# KiCad board uw-rs485_hat-V5.kicad_pcb
title: ${projectName}; date: 2023-06-18; rev: V5
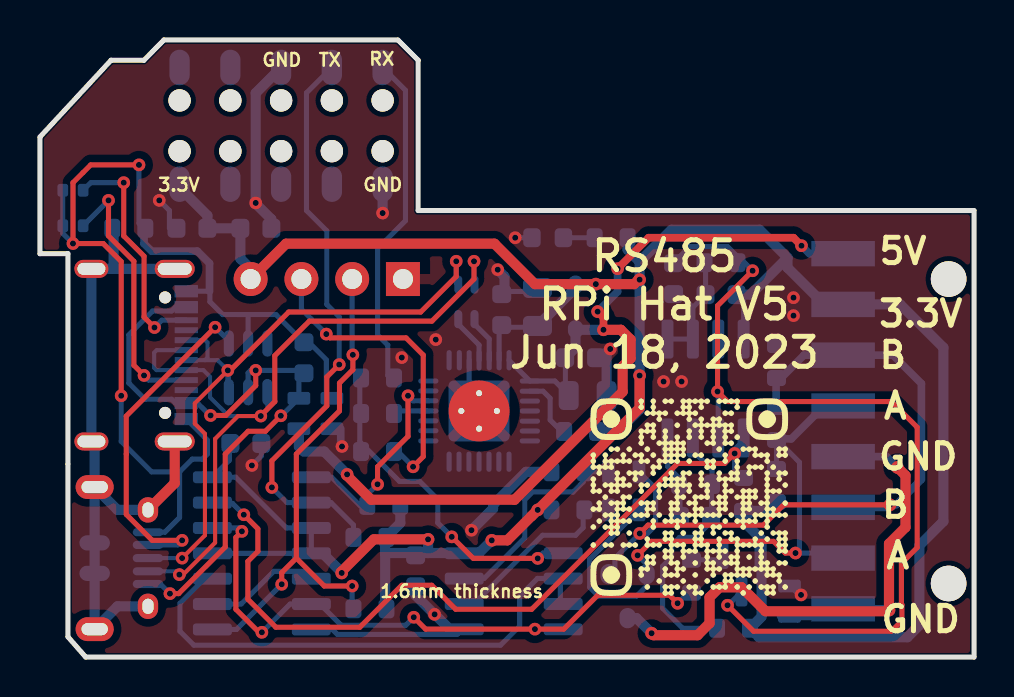
[diagram p0: board, top side]
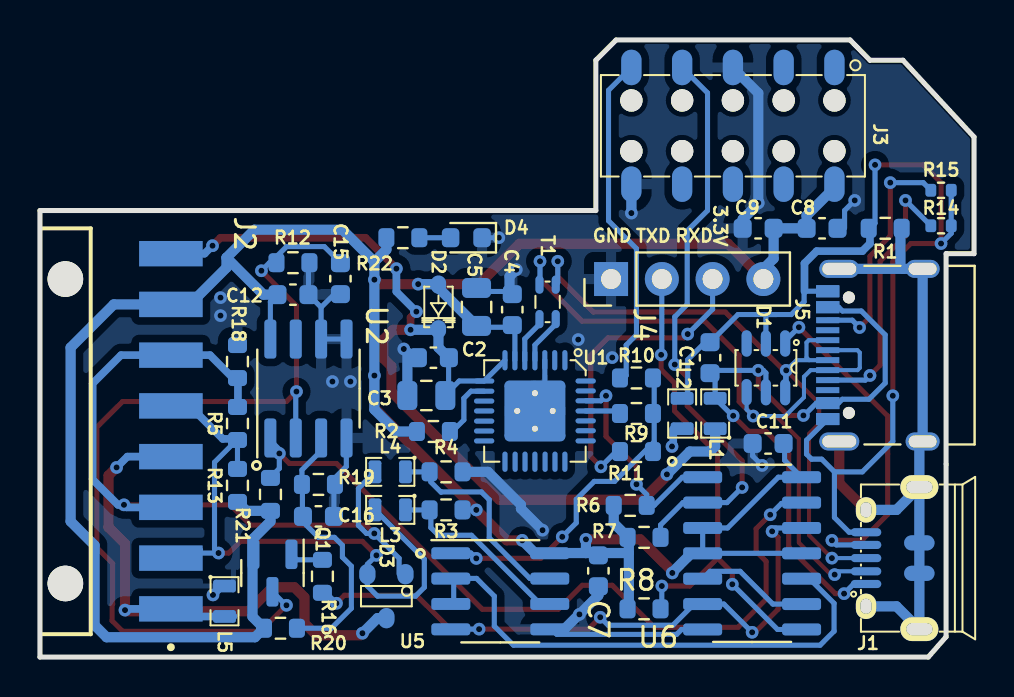
[diagram p1: board, bottom side, seen from below]

Outline 46.74 x 30.89 mm; copper layers: Front, Back. Coordinates in mm from the lower left corner of the outline.
Outline path: 0,26.03 0,20.19 1.4,20.19 1.4,1.02 2.29,0 46.74,0 46.74,22.35 18.92,22.35 18.92,29.88 17.91,30.89 6.2,30.89 5.2,29.88 3.56,29.88 0,26.03
Stack: Front 0.035mm / dielectric 1.51mm FR4 er 4.5 / Back 0.035mm

## Placement (name value [footprint] x y rotation side)
C1  22pF/50V  [C_0603_1608Metric]  13.21 14.99 90 bottom
C2  100nF/50V  [C_0603_1608Metric]  27.05 14.99 0 bottom
C3  10uF/16V  [C_0805_2012Metric]  27.4 13.09 0 bottom
C4  100nF/50V  [C_0603_1608Metric]  23.1 17.39 90 bottom
C5  10uF/16V  [C_0805_2012Metric]  24.89 17.53 90 bottom
C7  100nF/50V  [C_0603_1608Metric]  18.8 4.32 90 bottom
C8  100nF/50V  [C_0603_1608Metric]  7.6 21.46 180 bottom
C9  100nF/50V  [C_0603_1608Metric]  10.8 21.46 180 bottom
C11  100nF/50V  [C_0603_1608Metric]  10.3 10.69 180 bottom
C12  100nF/50V  [C_0603_1608Metric]  34.08 18.14 0 bottom
C15  1nF  [C_0603_1608Metric]  31.7 18.94 90 bottom
C16  100nF/50V  [C_0603_1608Metric]  32.8 7.04 0 bottom
D1  TVS_5V  [SOT23-6L]  10.41 14.48 90 bottom
D2  CUS08F30-H3F  [SOD323]  26.8 17.53 90 bottom
D3  SM712  [SOT23-3]  29.4 3.05 90 bottom
D4  green  [LED_0603_1608Metric]  25.4 20.99 0 bottom
G***  LOGO  [QR-18-06-23]  32.5 7.99 0 top
J1  USB-Micro  [usb-MicroXNJ]  2.74 4.95 180 bottom
J2  TSM-108-01-T-SH-A-P-TR  [SAMTEC_TSM-108-01-T-SH-A-P-TR]  45.47 11.3 90 bottom
J3  Raspberry-Pi_2x5-Pin_Header  [con-WR-PHD-61031021821]  12.07 26.59 270 bottom
J4  Conn_01x04  [PinHeader_1x04_P2.54mm_Vertical]  18.16 18.92 90 bottom
J5  USB_C_Receptacle  [USB_C_Receptacle_Palconn_UTC16-G]  4.81 15.11 90 bottom
L1  Bead_300R  [SM0603L]  12.95 12.19 90 bottom
L2  Bead_300R  [SM0603L]  14.61 12.19 90 bottom
L3  Bead_300R  [SM0603L]  29.21 7.37 0 bottom
L4  Bead_300R  [SM0603L]  29.21 9.27 0 bottom
L5  Bead_300R  [SM0603L]  37.5 2.79 270 bottom
Q1  MMS9012-H-TP  [SOT-23]  35.1 4.2 270 bottom
R1  10k  [R_0603_1608Metric]  4.45 21.46 0 bottom
R2  4k7  [R_0603_1608Metric]  27.05 11.29 0 bottom
R3  10k  [R_0603_1608Metric]  26.42 7.37 0 bottom
R4  10k  [R_0603_1608Metric]  26.42 9.27 0 bottom
R5  220R  [R_0603_1608Metric]  36.85 11.69 90 bottom
R6  10k  [R_0603_1608Metric]  17.2 7.59 180 bottom
R7  10k  [R_0603_1608Metric]  16.51 5.99 180 bottom
R8  10k  [R_0603_1608Metric]  16.51 2.41 180 bottom
R9  1k  [R_0603_1608Metric]  16.89 12.19 180 bottom
R10  1k  [R_0603_1608Metric]  16.89 13.97 180 bottom
R11  1k  [R_0603_1608Metric]  16.89 10.29 180 bottom
R12  1k  [R_0603_1608Metric]  34.08 19.74 0 bottom
R13  560R  [R_0603_1608Metric]  36.85 8.59 90 bottom
R14  5.1k  [R_0402_1005Metric]  1.65 21.59 180 bottom
R15  5.1k  [R_0402_1005Metric]  1.65 23.37 180 bottom
R16  10k  [R_0603_1608Metric]  32.6 4.04 90 bottom
R18  560R  [R_0603_1608Metric]  36.85 14.79 270 bottom
R19  10k  [R_0603_1608Metric]  32.8 8.64 0 bottom
R20  20k  [R_0603_1608Metric]  34.7 1.44 180 bottom
R21  4.7k  [R_0603_1608Metric]  35.2 8.14 90 bottom
R22  560R  [R_0603_1608Metric]  28.58 20.99 180 bottom
T1  CM_Choke_90R  [tr-smd-WE-CNSW_0805]  21.34 17.78 270 bottom
U1  CP2102  [QFN28_5x5_P0.5mm_ppad]  21.97 12.32 0 bottom
U2  LM393DR2G  [SOIC-8_3.9x4.9mm_P1.27mm]  33.3 13.44 90 bottom
U5  SP3485EN  [SOIC-8_3.9x4.9mm_P1.27mm]  23.7 3.29 180 bottom
U6  CD4023BM/TR  [SOIC-14_3.9x8.7mm_P1.27mm]  11.1 5.19 180 bottom

## Library data of the parts
C1 = -: Description: 50V 22pF C0G ±5% 0603  Multilayer Ceramic Capacitors MLCC - SMD/SMT ROHS; Digikey: 1276-1023-1-ND; LCSC: C1653; Manufacturer: Samsung; PartNumber: CL10C220JB8NNNC; Power: _; Tolerance: 5%
C2 C4 C7-C9 C11 C12 C16 = -: Description: 50V 100nF X7R ±10% 0603  Multilayer Ceramic Capacitors MLCC - SMD/SMT ROHS; Digikey: 1276-6854-1-ND; LCSC: C307348; Manufacturer: Samsung; PartNumber: CL10B104KB8WPNC; Power: _; Tolerance: 10%
C3 C5 = -: Description: 16V 10uF X7R ±10% 0805  Multilayer Ceramic Capacitors MLCC - SMD/SMT ROHS; Digikey: 1276-2872-1-ND; LCSC: C95841; Manufacturer: Samsung; PartNumber: CL21B106KOQNNNE; Power: _; Tolerance: 10%
C15 = -: Description: 50V 1nF C0G ±5% 0603  Multilayer Ceramic Capacitors MLCC - SMD/SMT ROHS; Digikey: ---; LCSC: C342541; Manufacturer: TDK; PartNumber: C1608C0G1H102JT000N; Power: _; Tolerance: 5%
D1 = -: Description: SOT-23-6  ESD Protection Devices ROHS; Digikey: !1727-2751-1-ND; LCSC: C558417; Manufacturer: Tech_Public; PartNumber: TPIP4220CZ6; Power: _; Tolerance: _
D2 = -: Description: 30V 220mV@10mA 800mA SOD-323  Schottky Barrier Diodes (SBD) ROHS; Digikey: CUS08F30H3FCT-ND; LCSC: C150183; Manufacturer: Toshiba; Power: 0.8A; Tolerance: _
D3 = -: Description: SOT-23  ESD Protection Devices ROHS; Digikey: !F6450CT-ND; LCSC: C293966; Manufacturer: DOWO; Power: 400W; Tolerance: _
D4 = -: Description: Light emitting diode, filled shape; Digikey: 3147-B1911UYG-20D000114U1930DKR-ND; LCSC: C2760782; Manufacturer: Amicc; PartNumber: A-SP194G2C-C01-4T; Power: 20mA; Tolerance: _
J1 = -: Description: 1A USB 2.0 1 Surface Mount 5 Female -20℃~+85℃ Micro-B SMD  USB Connectors ROHS; Digikey: !732-5961-1-ND; LCSC: C404969; Manufacturer: Shou_Han; PartNumber: MicroXNJ; Power: 1.8A; Tolerance: _
J2 = -: Description: Generic connector, single row, 01x08, script generated (kicad-library-utils/schlib/autogen/connector/)
J3 = -: Description: 2.54mm 2.54mm 双排 Gold Brass 2x5P 10 SMD,P=2.54mm  Female Headers ROHS; Digikey: _; LCSC: C261072; Manufacturer: Boomele; PartNumber: C261072; Power: _; Tolerance: _
J4 = -: Description: Straight 2.54mm 6mm -40℃~+105℃ 3mm 4 2.54mm Plugin Black Brass 1x4P Plugin,P=2.54mm  Pin Headers ROHS; Digikey: _; LCSC: C124378; Manufacturer: Ckmtw; PartNumber: B-2100S04P-A110; Power: 3A; Tolerance: _
J5 = -: Description: USB Full-Featured Type-C Receptacle connector; LCSC: C2765186
L1-L5 = -: Description: 180mΩ ±25% 300Ω@100MHz 0603  Ferrite Beads ROHS; Digikey: !732-1592-1-ND; LCSC: C139165; Manufacturer: Guangdong_Fenghua_Advanced_Tech; PartNumber: CBM160808U301T; Power: 1.5A; Tolerance: 25%
Q1 = -: Description: PNP transistor, base/emitter/collector; Digikey: ---; LCSC: C90159; Manufacturer: MCC(Micro Commercial Components); Power: 0.5A
R1 R3 R4 R6-R8 R16 R19 = -: Description: 100mW Thick Film Resistors ±100ppm/℃ ±1% 10kΩ 0603  Chip Resistor - Surface Mount ROHS; Digikey: 311-10.0KHRCT-ND; LCSC: C98220; Manufacturer: Yageo; PartNumber: RC0603FR-0710KL; Power: 1/10W; Tolerance: 1%
R2 = -: Description: 100mW Thick Film Resistors ±100ppm/℃ ±1% 4.7kΩ 0603  Chip Resistor - Surface Mount ROHS; Digikey: 311-4.70KHRCT-ND; LCSC: C99782; Manufacturer: Yageo; PartNumber: RC0603FR-074K7L; Power: 1/10W; Tolerance: 1%
R5 = -: Description: 100mW ±100ppm/℃ ±5% 220Ω 0603  Chip Resistor - Surface Mount ROHS; Digikey: ---; LCSC: C881409; Manufacturer: Ever Ohms Tech; PartNumber: CR0603J220RP05Z; Power: 1/10W; Tolerance: 5%
R9-R12 = -: Description: 100mW Thick Film Resistors ±100ppm/℃ ±1% 1kΩ 0603  Chip Resistor - Surface Mount ROHS; Digikey: 311-1.00KHRCT-ND; LCSC: C21190; Manufacturer: Uniroyal_Elec; PartNumber: 0603WAF1001T5E; Power: 1/10W; Tolerance: 1%
R13 R18 R22 = -: Description: 100mW Thick Film Resistors ±100ppm/℃ ±5% 560Ω 0603  Chip Resistor - Surface Mount ROHS; Digikey: ---; LCSC: C228211; Manufacturer: Yageo; PartNumber: AC0603JR-07560RL; Power: 1/10W; Tolerance: 5%
R14 R15 = -: Description: 62.5mW Thick Film Resistors ±100ppm/℃ ±1% 5.1kΩ 0402  Chip Resistor - Surface Mount ROHS; LCSC: C25905; Power: 1/10W; Tolerance: 1%
R20 = -: Description: 100mW Thin Film Resistor ±25ppm/℃ ±0.1% 20kΩ 0603  Chip Resistor - Surface Mount ROHS; Digikey: ---; LCSC: C154077; Manufacturer: Vishay Intertech; PartNumber: MCT06030D2002BP500; Power: 1/10W; Tolerance: 0.1%
R21 = -: Description: 100mW Thick Film Resistors ±100ppm/℃ ±1% 4.7kΩ 0603  Chip Resistor - Surface Mount ROHS; Digikey: ---; LCSC: C101062; Manufacturer: LIZ Elec; PartNumber: CR0603FA4701G; Power: 1/10W; Tolerance: 1%
T1 = -: Description: 90Ω@100MHz 350mΩ 2 0805  Common Mode Filters ROHS; Digikey: !732-3198-1-ND; LCSC: C54888; Manufacturer: Sunlord; PartNumber: SDCW2012-2-900TF; Power: 0.37A; Tolerance: _
U1 = -: Description: 1Mbps Transceiver USB WQFN-28-EP(5x5)  USB ICs ROHS; Digikey: 336-1160-1-ND; LCSC: C6568; Manufacturer: Silabs; PartNumber: CP2102-GMR; Power: _; Tolerance: _
U2 = -: Description: Low-Power, Low-Offset Voltage, Dual Comparators, DIP-8/SOIC-8/TO-99-8; Digikey: _; LCSC: C7955; Manufacturer: onsemi; Power: _; Tolerance: _
U5 = -: Description: Industrial 3.3V Low Power Half-Duplex RS-485 Transceiver 10Mbps, SOIC-8; LCSC: C8963; Manufacturer: MaxLinear; PartNumber: SP3485EN-L/TR; Power: _; Tolerance: _
U6 = -: Description: Triple Nand 3 inputs; Digikey: _; LCSC: C910853; Manufacturer: HGSEMI; Power: _; Tolerance: _

## Footprints (pads in the part's own frame, mm; a bottom-side part is the same pattern mirrored in y, then rotated)
C_0603_1608Metric
  rrect 0.9x0.95 smd: 1(-0.775,0) 2(0.775,0)
C_0805_2012Metric
  rrect 1x1.45 smd: 1(-0.95,0) 2(0.95,0)
con-WR-PHD-61031021821
  round 1.118 hole 1.118 unplated: (-1.27,-5.08) (-1.27,-2.54) (-1.27,0) (-1.27,2.54) (-1.27,5.08) (1.27,-5.08) (1.27,-2.54) (1.27,0) (1.27,2.54) (1.27,5.08)
  oval 1.778x1.016 smd: 1(-2.921,5.08) 2(2.921,5.08) 3(-2.921,2.54) 4(2.921,2.54) 5(-2.921,0) 6(2.921,0) 7(-2.921,-2.54) 8(2.921,-2.54) 9(-2.921,-5.08) 10(2.921,-5.08)
LED_0603_1608Metric
  rrect 0.875x0.95 smd: 1(-0.787,0) 2(0.787,0)
PinHeader_1x04_P2.54mm_Vertical
  rect 1.7x1.7 hole 1: 1(0,0)
  oval 1.7x1.7 hole 1: 2(0,-2.54) 3(0,-5.08) 4(0,-7.62)
QFN28_5x5_P0.5mm_ppad
  oval 0.254x1.016 smd: 1(-1.499,-2.54) 2(-0.991,-2.54) 3(-0.495,-2.54) 4(0,-2.54) 5(0.508,-2.54) 6(1.003,-2.54) 7(1.499,-2.54) 15(1.499,2.54) 16(0.991,2.54) 17(0.495,2.54) 18(0,2.54) 19(-0.508,2.54) 20(-1.003,2.54) 21(-1.499,2.54)
  oval 1.016x0.254 smd: 8(2.54,-1.499) 9(2.54,-0.991) 10(2.54,-0.495) 11(2.54,0) 12(2.54,0.508) 13(2.54,1.003) 14(2.54,1.499) 22(-2.54,1.499) 23(-2.54,0.991) 24(-2.54,0.495) 25(-2.54,0) 26(-2.54,-0.508) 27(-2.54,-1.003) 28(-2.54,-1.499)
  rect 0.762x0.762 smd: 29(-0.889,-0.889) 29(-0.889,0.889) 29(0,0) 29(0.889,-0.889) 29(0.889,0.889)
  round 0.61 hole 0.305: 29(-0.889,0) 29(0,-0.889) 29(0,0.889) 29(0.889,0)
  oval 3.048x0.508 smd: 29(0,-1.27) 29(0,1.27)
  rect 3.048x2.54 smd: 29(0,0)
  round 3.048 smd far side: 29(0,0)
R_0402_1005Metric
  rrect 0.54x0.64 smd: 1(-0.51,0) 2(0.51,0)
R_0603_1608Metric
  rrect 0.8x0.95 smd: 1(-0.825,0) 2(0.825,0)
SAMTEC_TSM-108-01-T-SH-A-P-TR
  round 1.78 hole 1.78 unplated: (-7.62,0) (7.62,0)
  rect 1.27x3.18 smd: 1(-8.89,-5.28) 2(-6.35,-5.28) 3(-3.81,-5.28) 4(-1.27,-5.28) 5(1.27,-5.28) 6(3.81,-5.28) 7(6.35,-5.28) 8(8.89,-5.28)
SM0603L
  oval 0.635x0.254 smd: 1(-0.762,-0.445) 1(-0.762,0.445) 2(0.762,-0.445) 2(0.762,0.445)
  rect 0.635x0.889 smd: 1(-0.762,0) 2(0.762,0)
SOD323
  oval 0.914x0.762 smd: 1(1.118,0) 2(-1.118,0)
SOIC-8_3.9x4.9mm_P1.27mm
  rrect 1.95x0.6 smd: 1(-2.475,1.905) 2(-2.475,0.635) 3(-2.475,-0.635) 4(-2.475,-1.905) 5(2.475,-1.905) 6(2.475,-0.635) 7(2.475,0.635) 8(2.475,1.905)
SOIC-14_3.9x8.7mm_P1.27mm
  rrect 1.95x0.6 smd: 1(-2.475,3.81) 2(-2.475,2.54) 3(-2.475,1.27) 4(-2.475,0) 5(-2.475,-1.27) 6(-2.475,-2.54) 7(-2.475,-3.81) 8(2.475,-3.81) 9(2.475,-2.54) 10(2.475,-1.27) 11(2.475,0) 12(2.475,1.27) 13(2.475,2.54) 14(2.475,3.81)
SOT23-3
  oval 1.016x0.813 smd: 1(1.1,-0.953) 2(1.1,0.953) 3(-1.1,0)
SOT23-6L
  oval 1.321x0.508 smd: 1(1.219,-0.965) 2(1.219,0) 3(1.219,0.965) 4(-1.219,0.965) 5(-1.219,0) 6(-1.219,-0.965)
SOT-23
  rrect 1.475x0.6 smd: 1(-0.938,0.95) 2(-0.938,-0.95) 3(0.938,0)
tr-smd-WE-CNSW_0805
  oval 0.914x0.406 smd: 1(-0.864,0.406) 2(0.864,0.406) 3(0.864,-0.406) 4(-0.864,-0.406)
usb-MicroXNJ
  oval 1.524x0.406 smd: 1(-2.667,-1.295) 2(-2.667,-0.66) 3(-2.667,0) 4(-2.667,0.66) 5(-2.667,1.295)
  oval 1.016x1.27 hole 0.559x0.762: 6(-2.667,-2.413) 6(-2.667,2.413)
  oval 1.905x1.194 hole 1.321x0.61: 6(0,-3.556) 6(0,3.556)
  oval 1.524x0.762 smd: 6(0,-0.762) 6(0,0.762)
USB_C_Receptacle_Palconn_UTC16-G
  round 0.6 hole 0.6 unplated: (-2.89,1.45) (2.89,1.45)
  rect 0.6x1.16 smd: A1(-3.2,2.51) A4(-2.4,2.51) A9(2.4,2.51) A12(3.2,2.51) B1(3.2,2.51) B4(2.4,2.51) B9(-2.4,2.51) B12(-3.2,2.51)
  rect 0.3x1.16 smd: A5(-1.25,2.51) A6(-0.25,2.51) A7(0.25,2.51) A8(1.25,2.51) B5(1.75,2.51) B6(0.75,2.51) B7(-0.75,2.51) B8(-1.75,2.51)
  oval 0.9x1.7 hole 0.6x1.4: S1(-4.32,-2.24) S1(4.32,-2.24)
  oval 0.9x2 hole 0.6x1.7: S1(-4.32,1.93) S1(4.32,1.93)

## Nets
+3.3V: C4.1 C5.1 C7.2 C8.1 C9.2 C11.2 C12.2 D2.1 J2.7 J3.2 J4.4 Q1.2 R2.2 R3.1 R6.1 R7.1 R8.1 R13.1 R20.1 R21.1 R22.1 U1.6 U2.8 U5.8 U6.3 U6.4 U6.11 U6.14
+5V: C2.1 C3.1 D2.2 J2.8 L1.1 U1.7 U1.8
GND: C2.2 C3.2 C4.2 C5.2 C7.1 C8.2 C9.1 C11.1 C12.1 C15.1 C16.1 D4.1 J3.5 J3.10 J4.1 L2.1 L5.1 R4.1 R12.1 R18.1 R19.1 U1.3 U1.29 U2.4 U2.5 U2.6 U5.5 U6.7
/index/schTop/A: D3.2 J2.2 J2.5 L3.2 R5.1 R13.2
/index/schTop/B: D3.1 J2.3 J2.6 L4.2 R5.2 R18.2
/index/schTop/RS485A: L3.1 R3.2 U5.6
/index/schTop/RS485B: L4.1 R4.2 U5.7
/index/schTop/RXD: R9.2 R10.2 R11.2 U5.1
/index/schTop/RXDA: J4.3 R11.1
/index/schTop/RXDR: J3.9 R10.1
/index/schTop/RXDU: R9.1 U1.25
/index/schTop/TXD: R16.1 U5.4 U6.6 U6.12
/index/schTop/TXDA: J4.2 R8.2 U6.8
/index/schTop/TXDR: J3.7 R7.2 U6.2
/index/schTop/TXDU: R6.2 U1.26 U6.1
/index/schTop/TXEN: U5.2 U5.3 U6.10
/index/schTop/USB_D+: D1.6 J1.3 J5.A6 J5.B6 T1.1
/index/schTop/USB_D-: D1.4 J1.2 J5.A7 J5.B7 T1.4
/index/schTop/USB_DM: T1.3 U1.5
/index/schTop/USB_DP: T1.2 U1.4
/index/schTop/USB_GND: C1.2 D1.2 J1.5 J5.A1 J5.A12 J5.B1 J5.B12 L2.2 R1.2 R14.2 R15.2
/index/schTop/USB_SH: J1.6 J5.S1 R1.1
/index/schTop/USB_VCC: C1.1 D1.5 J1.1 J5.A4 J5.A9 J5.B4 J5.B9 L1.2
/index/schTop/~{RST}: R2.1 U1.9
Net-(D1-IO1): D1.1 J1.4
Net-(D3-AK): D3.3 J2.1 J2.4 L5.2
Net-(D4-A): D4.2 R22.2
Net-(J5-CC1): J5.A5 R14.1
Net-(J5-CC2): J5.B5 R15.1
Net-(Q1-B): Q1.1 R16.2
Net-(Q1-C): C15.2 Q1.3 R12.2 U2.2
Net-(R21-Pad2): R21.2 U2.1 U6.13
Net-(U2A-+): C16.2 R19.2 R20.2 U2.3
Net-(U6-Pad5): U6.5 U6.9

Pads without a net: D1 3; J3 1 3 4 6 8; J5 A8 B8; U1 1 2 10 11 12 13 14 15 16 17 18 19 20 21 22 23 24 27 28; U2 7

## Via types
v1: diameter 0.635, hole 0.305, Front to Back, 76 vias

## Routing (per net, layer and track width the routed paths; a pad name or vN(x,y) marks a point on that pad's centre or on a via; arc(x,y) is an arc through that point)
+3.3V: length 149.3
  Front w0.508: 24.58,7.04 30,12.46 v1(30,14.09) ; 24.58,7.04 v1(24.9,7.37) ; 24.58,7.04 23.38,5.84 v1(22.61,5.84) ; v1(19.42,5.89) 16.7,5.89 15.1,4.29 v1(15.1,4.21) ; v1(30,18.89) 29.95,18.89 29.73,18.67 v1(27.81,18.67) 24.76,18.67 22.74,20.69 12.31,20.69 J4.4
  Back w0.254: 24.89,16.57 24.83,16.51 23.24,16.51 22.97,16.24 22.97,14.86 ; 25.65,7.37 v1(24.9,7.37) ; U2.8 35.21,17.79 C12.2 ; 9.48,10.69 9.48,9.85 U6.14 9.79,9 12.33,6.46 U6.3 U6.4 U6.11
  Back w0.508: 30,19.79 29.4,20.39 R22.1 ; 30,19.79 v1(30,18.89) v1(30,14.09) 30,12.39 28.9,11.29 R2.2 ; 30,19.79 31.6,21.39 36,21.39 37.4,19.99 ; 19.43,5.21 17.27,5.21 ; 19.43,5.21 21.97,5.21 v1(22.61,5.84) ; 19.43,5.21 19.42,5.22 v1(19.42,5.89) ; J3.2 6.98,23.5 8.38,22.1 C8.1 C9.2 10.03,19.94 10.54,19.43 J4.4 10.16,19.3 ; R6.1 18.03,6.7 17.27,5.95 17.27,2.41 ; 37.4,19.99 35.55,18.14 C12.2 ; 37.4,19.99 37.4,19.49 39.24,17.65 J2.7 43.04,17.65 45.2,15.49 45.2,6.79 44,5.59 44,1.59 43.4,0.99 35.98,0.99 R20.1 ; U6.4 14.14,5.19 15.1,4.24 v1(15.1,4.21) ; 24.89,16.57 26.8,18.48 D2.1 26.82,18.67 v1(27.81,18.67) ; R13.1 36.4,7.32 R21.1 35.2,6.79 36.1,5.89 36.1,2.02 35.7,1.62
+5V: length 48.8
  Front w0.381: v1(28.19,16.38) 28.19,17 v1(27.9,17.29) ; v1(38.1,20.59) 37.7,20.99 30.45,20.99 v1(28.9,19.44)
  Front w0.508: v1(28.19,16.38) 29.06,16.38 29.55,15.89 29.55,14.95 29.15,14.55 29.15,13.28 23.75,7.87 16.57,7.87 15.37,9.08 v1(15.37,9.14)
  Back w0.254: 23.47,14.86 U1.8 25.76,13.82 26.25,13.34 ; 26.35,13.34 26.29,13.4 26.29,14.99
  Back w0.381: v1(28.9,19.44) 28.9,18.29 v1(27.9,17.29) ; v1(38.1,20.59) 38.5,20.19 J2.8
  Back w0.508: v1(28.19,16.38) 26.82,16.38 D2.2 26.8,15.49 26.29,14.99 ; L1.1 12.95,10.54 13.21,10.29 14.22,10.29 v1(15.37,9.14)
GND: length 50.3
  Back w0.254: 32.67,17.51 U2.6 U2.5 ; 32.67,17.51 C12.1 33.3,19.69 R12.1 ; 32.67,17.51 32.01,18.17 C15.1 ; U1.29 21.48,13.7 21.48,14.86 ; U6.7 14.63,1.38 14.88,1.13 20.88,1.13 21.13,1.39 ; v1(5.97,22.86) 6.48,22.35 6.48,21.46 ; C4.2 23.24,18.3 24.89,18.3 ; v1(10.6,9.59) 11.08,10.07 C11.1 ; D4.1 v1(23.78,20.99) ; 31.41,10.85 31.41,9.54 32.03,8.92 C16.1
  Back w0.381: L2.1 15.05,10.6 v1(15.11,10.54) ; v1(38.08,3.11) 37.63,3.56 L5.1
  Back w0.508: J3.5 12.07,29.5 10.79,28.23 v1(10.79,22.73) 10.79,22.7 11.58,21.92 C9.1 ; v1(21.59,6.35) 22.67,7.43 22.67,7.62 24.32,9.27 25.65,9.27 ; 23.24,18.03 23.24,19.05 v1(22.9,19.39) ; 18.8,3.56 18.8,3.08 v1(19.74,2.14) 19.76,2.14 20.5,1.4 20.7,1.4 ; v1(17.14,22.22) J3.10 ; C3.2 28.35,15.24 v1(28.53,15.42)
  vias: v1(18.1,14.99) v1(19.8,15.89) v1(31.2,13.79) v1(32.1,13.79) v1(37.7,17.99) v1(37.7,17.09)
/index/schTop/A: length 34.8
  Front w0.254: v1(29.9,5.09) 30.6,5.79 36.7,5.79 37.29,5.21 v1(37.8,5.21)
  Back w0.254: J2.2 39.93,5.21 v1(37.8,5.21) 38,5.41 38,9.75 36.83,10.92 ; R5.1 36.85,9.47 36.8,9.42 ; v1(29.9,5.09) 30.36,4.64 30.36,3.56 29.85,3.05 27.95,3.05 27.5,3.49 27.5,4.9 L3.2 ; 38.7,5.37 40.19,5.37 ; 39.65,12.45 40.19,12.99
  Back w0.381: 36.83,10.92 37.59,10.92 39.24,12.57 J2.5
/index/schTop/B: length 38.8
  Front w0.254: v1(30.01,6.19) 30.43,6.6 36.19,6.6 37.21,7.62 v1(42.53,7.62)
  Back w0.254: L4.2 30.8,8.44 30.8,6.59 30.4,6.19 v1(30.01,6.19) 28.77,4.94 28.77,4.15
  Back w0.381: 36.83,12.45 36.83,13.94 R18.2 37.08,13.97 38.22,15.11 J2.6 42.68,15.11 44.1,13.69 44.1,8.89 42.83,7.62 v1(42.53,7.62) 42.41,7.49 J2.3
/index/schTop/RS485A: length 9.2
  Back w0.254: L3.1 27.18,7.37 27.18,6.48 26.8,6.1 25.15,6.1 21.72,2.67
/index/schTop/RS485B: length 11.4
  Back w0.254: L4.1 27.18,9.27 27.18,8.76 26.67,8.25 26.66,8.27 24.65,8.27 24.26,7.87 24.26,5.97 22.22,3.94 20.7,3.94
/index/schTop/RXD: length 16.4
  Front w0.254: v1(20.6,6.02) 21.68,4.94 v1(24.91,4.94)
  Back w0.254: v1(24.91,4.94) 25.17,5.21 26.04,5.21 ; 16,13.97 16,10.78 17.99,8.79 19,8.79 19.9,7.89 19.9,6.72 v1(20.6,6.02)
/index/schTop/RXDA: length 15.8
  Front w0.254: v1(14.33,16.17) 14.52,15.98 18.32,15.98 19.18,15.12 19.18,10.03 v1(18.67,9.53)
  Back w0.254: 17.53,10.29 17.91,10.29 v1(18.67,9.53) ; J4.3 13.08,17.41 v1(14.33,16.17)
/index/schTop/RXDR: length 16.9
  Back w0.254: J3.9 18.29,28.37 18.29,21.84 16.89,20.45 16.89,16.13 17.4,15.62 17.4,14.09 17.53,13.97
/index/schTop/RXDU: length 1.8
  Back w0.254: U1.25 17.65,12.32
/index/schTop/TXD: length 32.6
  Front w0.254: v1(31.9,2.69) 31.5,3.09 27.9,3.09 26.21,1.4 v1(24.76,1.4) 19.3,1.4 v1(18.7,1.99) ; v1(10.1,6.29) 9.8,5.99 9.8,2.39 10.96,1.24 v1(11.1,1.24)
  Back w0.254: U6.12 9.93,6.46 v1(10.1,6.29) ; v1(31.9,2.69) 32.43,3.22 32.6,3.22 ; v1(18.7,1.99) 18.3,1.59 15.07,1.59 14.01,2.65 U6.6 12.52,2.65 v1(11.1,1.24) ; v1(24.76,1.4) 26.04,1.4
/index/schTop/TXDA: length 25.8
  Front w0.254: v1(15.62,3.56) 14.22,3.56 12.83,4.95 ; v1(12.1,3.64) 12.1,4.22 12.83,4.95 ; v1(15.66,15.13) 15.66,14.39 14.99,13.72 14.99,12.32 12.83,10.16 12.83,4.95
  Back w0.254: 15.62,19.05 15.62,15.16 v1(15.66,15.13) ; v1(15.62,3.56) 15.62,2.41 ; U6.8 9.83,1.38 v1(12.1,3.64)
/index/schTop/TXDR: length 29.1
  Front w0.254: v1(11.6,8.49) 11.6,9.82 14.35,12.57 14.35,14.02 v1(14.97,14.64)
  Back w0.254: R7.2 15.68,6.61 14.56,7.73 U6.2 12.36,7.73 v1(11.6,8.49) ; J3.7 13.33,28.24 13.33,22.35 14.35,21.34 14.35,17.65 14.97,17.03 v1(14.97,14.64)
/index/schTop/TXDU: length 10.8
  Front w0.254: v1(18.42,13.08) 18.42,11.05 16.89,9.53 v1(16.89,8.65)
  Back w0.254: v1(18.42,13.08) 18.67,12.83 U1.26 ; v1(16.89,8.65) 16.38,8.14 R6.2 16,7.59 14.59,9 U6.1
/index/schTop/TXEN: length 26.4
  Back w0.254: U6.10 8.23,3.92 7,2.69 7,1.29 7.7,0.59 23.04,0.59 24,1.55 24,3.05 24.89,3.94 26.04,3.94 26.04,2.67
/index/schTop/USB_D+: length 34.4
  Front w0.203: v1(9.4,14.35) 7.75,12.7 7.75,11.68 8.25,11.18 8.25,6.1 v1(7.11,4.95)
  Front w0.254: v1(20.83,19.81) 20.83,19.05 19.05,17.27 12.45,17.27 9.53,14.35 v1(9.4,14.35)
  Back w0.203: D1.6 9.45,14.3 8.89,14.86 8.25,14.86 ; 8.25,14.86 8.38,14.99 8.38,15.75 8.27,15.86 J5.B6 ; 8.25,14.86 J5.A6 ; J1.3 v1(7.11,4.95)
  Back w0.254: v1(20.83,19.81) 20.83,18.75 T1.1 ; v1(9.4,14.35) 9.4,13.31 D1.6
/index/schTop/USB_D-: length 39.7
  Front w0.203: v1(6.97,4.13) 7.17,4.13 8.76,5.72 8.76,10.92 9.91,12.06 v1(11.05,12.06)
  Front w0.254: v1(21.72,19.81) 21.72,18.92 19.61,16.82 13.48,16.82 11.75,15.09 11.75,12.79 11.05,12.08 v1(11.05,12.06)
  Back w0.203: v1(6.97,4.13) 6.81,4.29 J1.2 ; J5.A7 5.84,15.36 5.71,15.24 5.71,14.48 5.83,14.36 J5.B7 8.18,14.36 8.51,14.03 8.51,13 9.45,12.06 v1(11.05,12.06) 11.38,12.4 D1.4
  Back w0.254: v1(21.72,19.81) 21.72,18.67 T1.4
/index/schTop/USB_DM: length 2.4
  Back w0.254: 22.48,14.86 22.48,15.93 21.74,16.66 T1.3
/index/schTop/USB_DP: length 2.5
  Back w0.254: T1.2 20.93,16.66 21.97,15.62 21.97,14.86
/index/schTop/USB_GND: length 54.9
  Front w0.254: v1(4.06,13.08) 4.06,19.8 3.16,20.7 v1(1.65,20.7) 1.65,23.75 2.54,24.64 v1(4.95,24.64)
  Back w0.254: 6.98,9.27 6.98,6.98 6.25,6.25 J1.5 ; 6.98,9.27 5.59,9.27 4.06,10.79 v1(4.06,13.08) ; 6.98,9.27 7.62,9.91 8.13,9.91 8.38,10.16 8.38,10.85 7.32,11.91 ; 9.91,17.14 10.41,17.14 D1.2 ; 9.91,17.14 9.14,17.14 8.5,17.79 8.5,18.29 8.48,18.31 J5.A12 ; 9.91,17.14 11.81,17.14 13.21,15.75 13.46,15.75 14.33,14.88 14.33,13.23 L2.2 ; v1(1.65,20.7) 1.14,21.21 R14.2 R15.2 ; 5.21,21.46 4.95,21.72 v1(4.95,24.64)
  Back w0.381: 5.21,21.46 5.21,20.7 5.59,20.32 7.87,20.32 8.48,19.71 8.48,18.31
/index/schTop/USB_SH: length 34.6
  Front w0.508: J1.6 6.74,8.7 J5.S1
  Back w0.508: 2.74,8.51 J1.6 3.88,2.54 J1.6 ; 2.74,8.51 3.88,7.37 J1.6 ; 2.74,8.51 2.74,10.63 J5.S1 J5.S1 3.56,19.43 ; 3.56,19.43 J5.S1 ; 3.56,19.43 3.68,19.56 3.68,21.46
/index/schTop/USB_VCC: length 34
  Front w0.254: v1(10.79,14.35) 10.79,13.59 9.3,12.09 v1(8.54,12.09) ; v1(12.05,12.08) 11.28,11.3 10.41,11.3 9.27,10.16 9.27,5.51 6.94,3.17 v1(6.5,3.17)
  Back w0.254: v1(8.54,12.09) 8.5,12.09 7.89,12.71 J5.A4 6.78,12.71 6.59,12.9 5.26,12.9 4.45,13.72 4.45,16.13 5.64,17.32 6.58,17.32 6.77,17.51 J5.A9 ; v1(6.5,3.17) 6.02,3.66 J1.1 ; D1.5 10.41,14.22 10.54,14.35 v1(10.79,14.35) 13.08,14.35 13.21,14.22 12.95,13.97 L1.2 12.08,12.08 v1(12.05,12.08)
/index/schTop/~{RST}: length 3.2
  Back w0.254: 26.23,11.29 26.1,11.29 25.53,11.87 25.53,12.95 25.17,13.31 U1.9
Net-(D1-IO1): length 17.4
  Front w0.254: v1(8.76,16.51) 4.32,12.06 4.32,7.14 5.62,5.84 v1(7.11,5.84)
  Back w0.254: v1(7.11,5.84) 6.88,5.61 J1.4 ; v1(8.76,16.51) 9.45,15.82 D1.1
Net-(D3-AK): length 31.6
  Front w0.508: v1(30.6,1.19) 30.7,1.09 32.9,1.09 33.5,1.69 33.5,2.99 34,3.49 35.1,3.49 36.3,2.29 42.42,2.29 v1(42.48,2.35) 42.48,5.67 43.31,6.5 43.31,9.09 v1(42.9,9.49)
  Back w0.381: L5.2 39.81,2.03 40.19,2.41 42.42,2.41 v1(42.48,2.35) ; v1(42.9,9.49) 42.36,10.03 J2.4
  Back w0.508: 29.72,1.95 29.85,1.95 v1(30.6,1.19)
Net-(D4-A): length 1.6
  Back w0.254: R22.2 D4.2
Net-(J5-CC1): length 13.5
  Front w0.254: v1(3.43,22.86) 3.43,21.08 4.7,19.81 4.7,14.6 v1(5.21,14.1)
  Back w0.254: v1(5.21,14.1) 5.44,13.86 J5.A5 ; R14.1 3.43,22.86 v1(3.43,22.86)
Net-(J5-CC2): length 11.8
  Front w0.254: v1(4.19,23.75) 4.19,21.08 5.21,20.07 5.21,17.02 v1(5.73,16.5)
  Back w0.254: v1(5.73,16.5) 6.09,16.86 J5.B5 ; R15.1 2.54,23.75 v1(4.19,23.75)
Net-(Q1-B): length 1.7
  Back w0.254: R16.2 33.88,4.87 Q1.1
Net-(Q1-C): length 45.3
  Front w0.254: v1(35.66,19.34) 33.9,17.59 v1(33.9,13.29) 34.4,12.79 42.6,12.79 43.89,11.5 43.89,5.48 43.1,4.69 43.1,2.64 43.13,2.62 43.13,1.82 42.6,1.29 35.7,1.29 v1(34.4,2.59)
  Back w0.254: Q1.3 34.43,2.59 v1(34.4,2.59) ; v1(35.66,19.34) 35.25,19.74 R12.2 34.9,20.04 34.4,20.55 32.51,20.55 31.7,19.74 31.7,19.72 ; v1(33.9,13.29) 33.94,13.26 U2.2
Net-(R21-Pad2): length 38.3
  Front w0.254: v1(34.76,10.19) 34.26,9.69 31.9,9.69 24.6,2.39 20.8,2.39 19.6,3.59 18.1,3.59 16,1.49 11.8,1.49 10.4,2.89 10.4,4.79 10.9,5.29 10.9,6.42 v1(10.2,7.12)
  Back w0.254: v1(10.2,7.12) 9.63,7.69 8.67,7.69 U6.13 ; 35.22,10.85 34.76,10.39 34.76,9.44 35.22,8.98
Net-(U2A-+): length 13.5
  Back w0.254: U2.3 32.67,10.33 33.63,9.37 33.63,8.64 33.6,8.62 33.6,7.07 ; C16.2 33.58,6.77 32.8,5.99 32,5.99 31.6,5.59 31.6,5 31.16,4.55 31.16,2.44 32.15,1.44 R20.2
Net-(U6-Pad5): length 5.8
  Back w0.254: U6.5 13.21,4.29 11.7,4.29 10.06,2.65 U6.9

## Copper pours and planes (outline as drawn; the poured copper is in the pictures)
GND on Front, Back: 47.37,-0.63 -0.89,-0.63 -0.89,31.62 47.37,31.62

## Text on the board
B.Silkscreen: RXD | TXD | GND | 3.3V
User.Comments: ${projectName} | ${REVISION} - ${CURRENT_DATE} (YY/MM/DD)
User.Eco1: J4 | PWR | J8 | TP14 | J1 | TP11 | RUN | TP1 | GLOBAL_EN | TP12 | TP7 | J2 | TP15 | TP13 | J6 | TP8 | J13 | J3 | TP9 | TP5 | TP2 | TP4 | J7 | TP22 | TP24 | J14 | TP3 | TP23 | TP17 | TP10 | TP6 | TP34 | J10 | J11 | J12 | TP18 | TP26 | TP27 | J5 | ACT | PoE | TP20 | TP19 | FCC ID: 2ABCB-RPI4B | IC: 20953-RPI4B | GPIO | Made in the UK | ETHERNET | USB3 | USB2 | DISPLAY | POWER IN | HDMI0 | HDMI1 | CAMERA | A/V | Proant AB | Licensed From | Uses Technology | MICRO SD CARD | Raspberry Pi 4 Model B | c Raspberry Pi 2018 | PCB MADE | PCB-R4 | IN P.R.C.
F.Silkscreen: 3.3V | GND | TX | RX | 1.6mm thickness | B | A | 5V | RS485 / RPi Hat V5 / Jun 18, 2023
